# Altium PCB PLD.PcbDoc (part 2 of 2)
Units mil, origin at the board's own origin, x right, y up, seen from the top; angles counter-clockwise.
Board outline 3553.1 x 3718.04 mil, 2 copper layers (Component Side, Bottom Layer), stack 61.8 mil thick; 154 components, 152 nets, 633 pads, 368 vias.
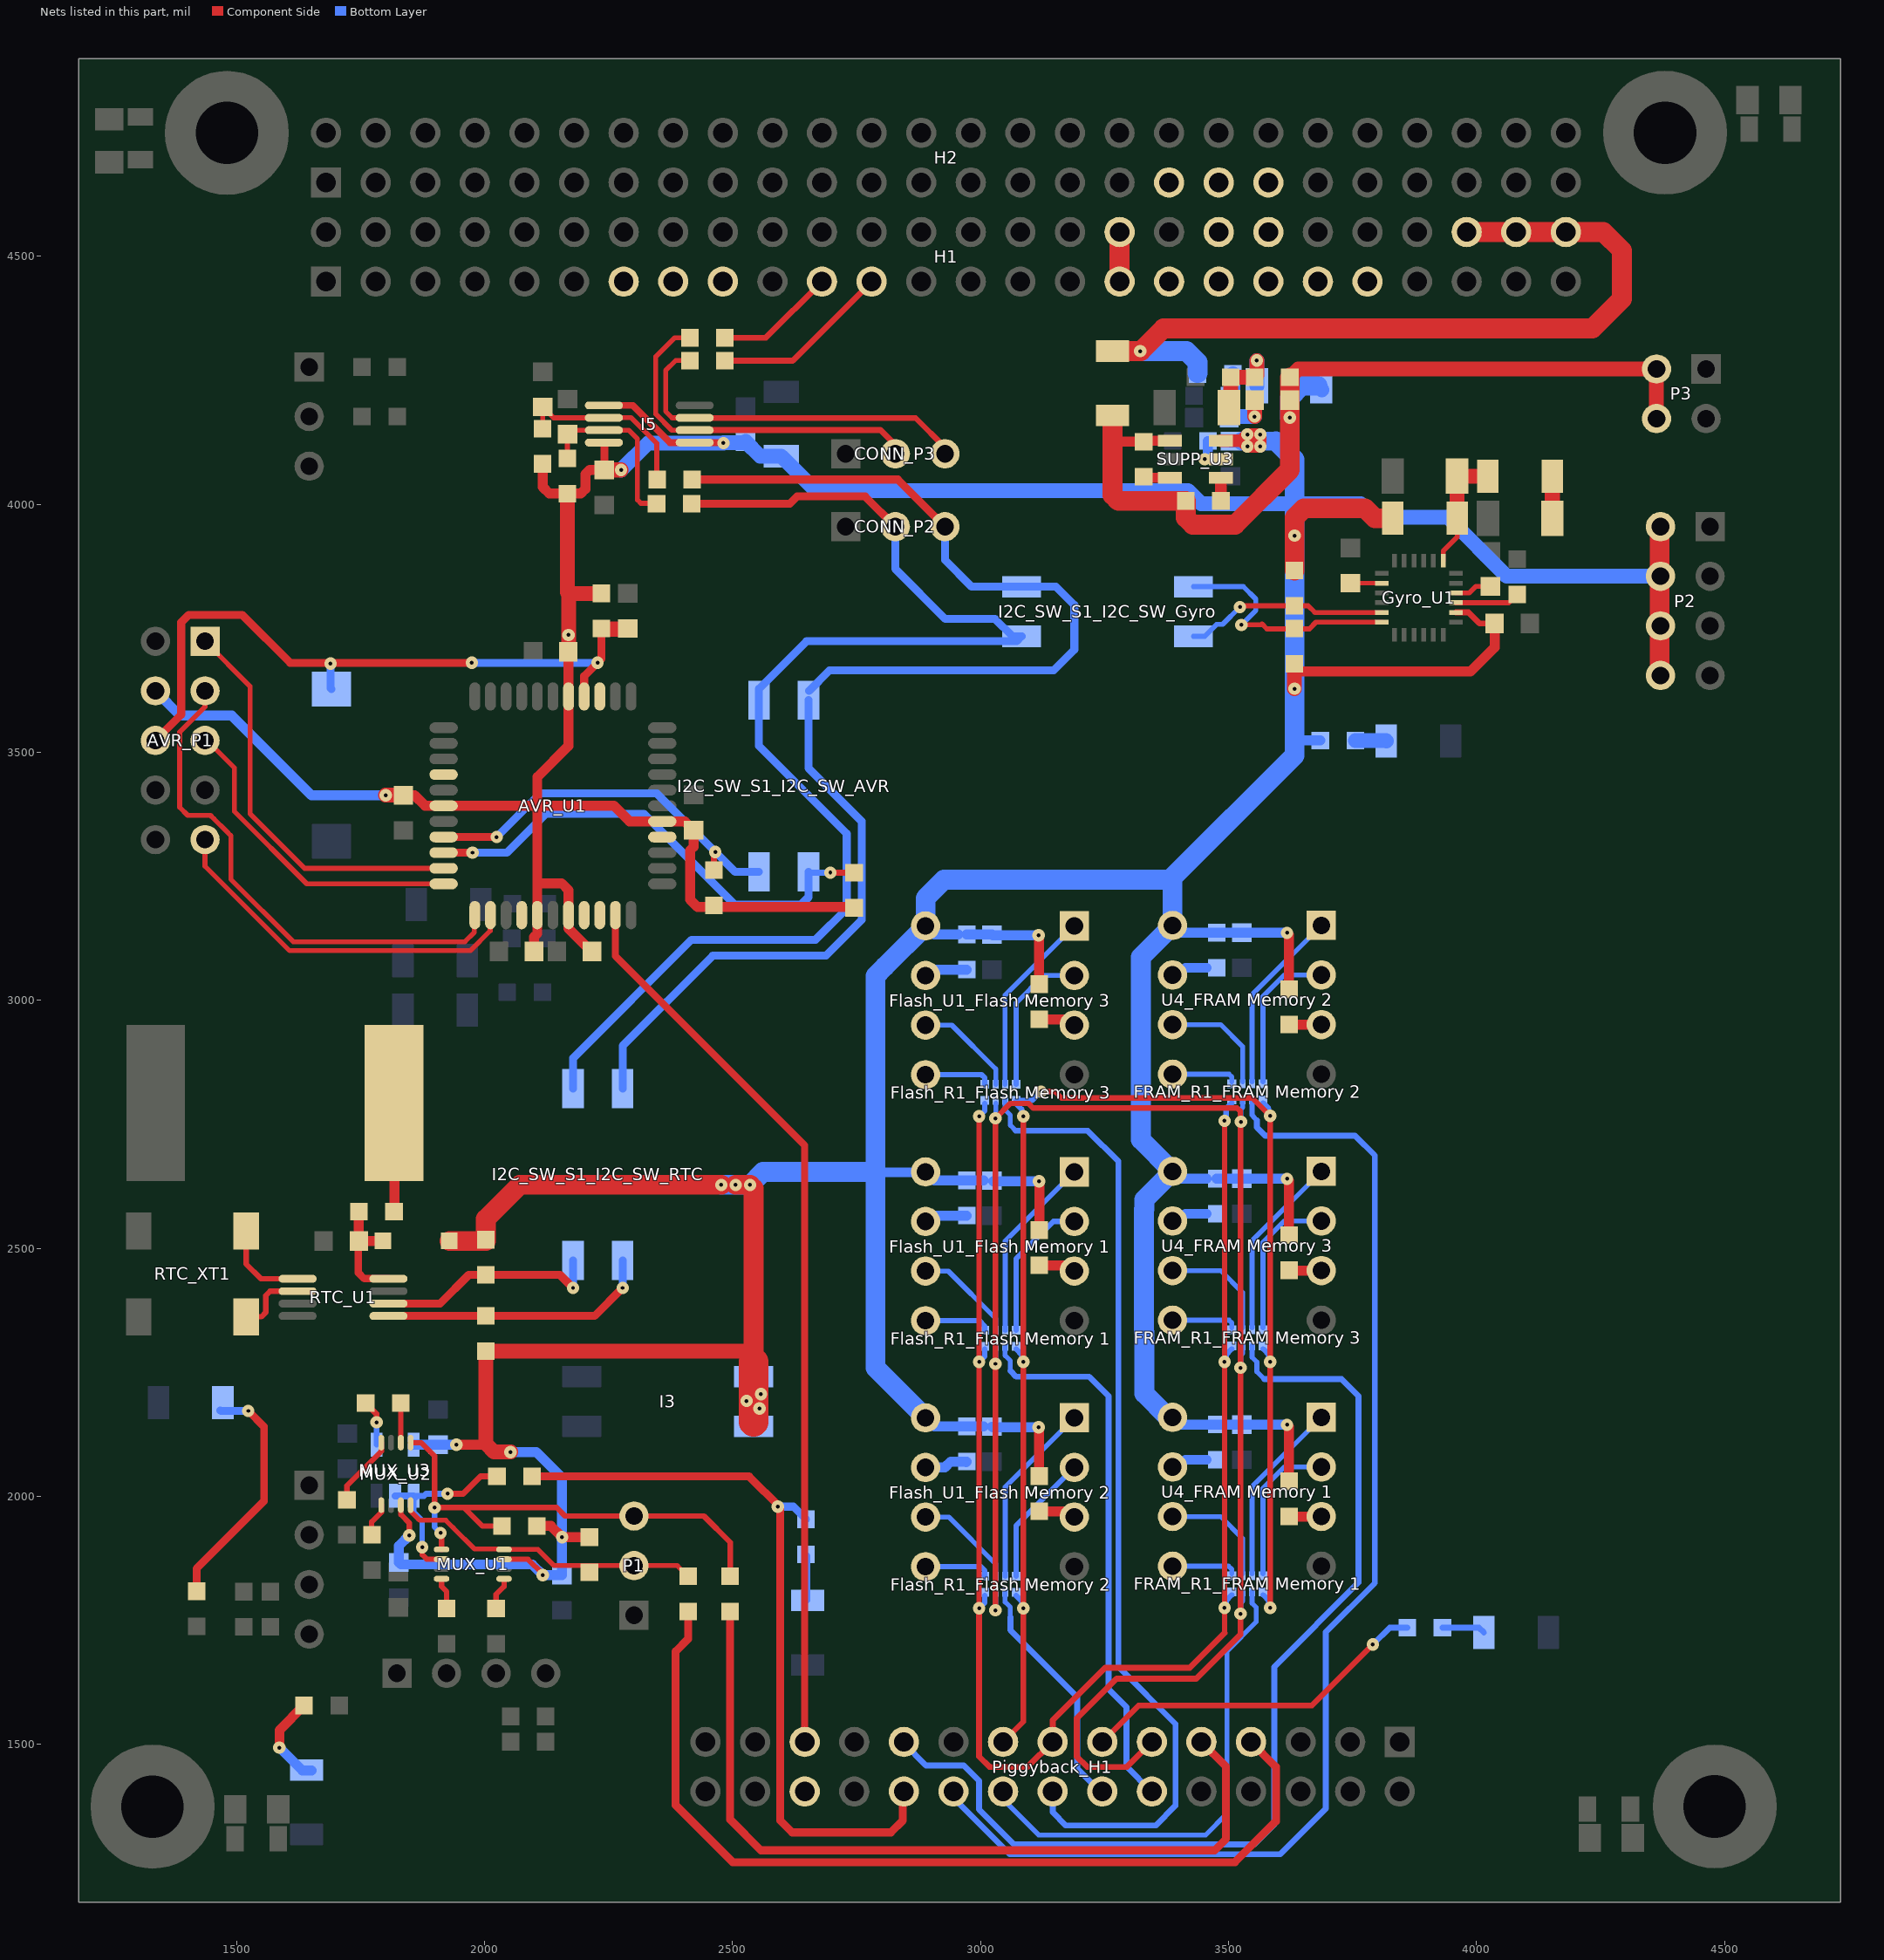
[diagram p2: the nets of this part, all layers, seen from the top]

## Via types
v1: diameter 25, hole 7.87, Component Side to Bottom Layer, tented both sides, 368 vias

## Nets (pads, with @x,y where several pads share a name; then routed paths per layer and width w, separated by ;. In a path a pad name is that pad's centre, name@x,y a point inside that pad or via, vN(x,y) a via of type N, cw(c..) or ccw(c..) an arc to the next point about the centre after c; other vN are vias at no path point) (continued)
NetCONN_P2_2: CONN_P2.2 I2C_SW_S1_I2C_SW_AVR.4 I2C_SW_S1_I2C_SW_Gyro.4 I2C_SW_S1_I2C_SW_RTC.4 R2.1 | length 2666.2
  Component Side w16: R2.1@2417.43,4001 2615,4001 2630,4016 2767,4016 CONN_P2.2@2828,3955
  Bottom Layer w16: I2C_SW_S1_I2C_SW_RTC.4@2178.13,2822 2178.13,2883.13 2417,3122 2667.06,3122 2730,3184.94 2730,3336 2553,3513 I2C_SW_S1_I2C_SW_AVR.4@2553,3605.23 2553,3628 2649,3724 3072.77,3724 I2C_SW_S1_I2C_SW_Gyro.4@3082.77,3734 3064,3734 3029,3769 2929,3769 2828,3870 CONN_P2.2@2828,3955
NetCONN_P2_3: CONN_P2.3 I2C_SW_S1_I2C_SW_AVR.2 I2C_SW_S1_I2C_SW_Gyro.2 I2C_SW_S1_I2C_SW_RTC.2 R4.1 | length 2734.7
  Component Side w16: R4.1@2418.43,4050 2833,4050 CONN_P2.3@2928,3955
  Bottom Layer w16: I2C_SW_S1_I2C_SW_RTC.2@2278.13,2822 2278.13,2908.13 2460,3090 2688,3090 2760,3162 2760,3361 2653,3468 I2C_SW_S1_I2C_SW_AVR.2@2653,3605.23 ; I2C_SW_S1_I2C_SW_AVR.2@2654,3624 2695,3665 3147,3665 3189,3707 3189,3797 3152,3834 I2C_SW_S1_I2C_SW_Gyro.2@3082.77,3834 2982,3834 2928,3888 CONN_P2.3@2928,3955
NetCONN_P3_2: CONN_P3.2 I5.2 R3.1 | length 730.6
  Component Side w10: R3.1@2413.57,4343 2406.57,4336 2383,4336 2345,4298 2345,4182 2377.43,4149.57 I5.2@2423.38,4149.57 I5.2@2423.38,4150.07
  Component Side w12: I5.2@2423.38,4150.07 2797.93,4150.07 2828,4120 CONN_P3.2@2828,4102
NetCONN_P3_3: CONN_P3.3 I5.3 R5.1 | length 769.1
  Component Side w10: R5.1@2413.57,4290 2385,4290 2364.85,4269.85 2364.85,4187.61 2377.89,4174.57 I5.3@2423.38,4174.57 I5.3@2423.38,4174.07
  Component Side w12: I5.3@2423.38,4174.07 2868.93,4174.07 2928,4115 CONN_P3.3@2928,4102 2931,4099 CONN_P3.3@2931,4080
"NetFlash_R1_Flash Memory 1_1": "Flash_R1_Flash Memory 1.1" "Flash_U1_Flash Memory 1.5" | length 132.3
  Bottom Layer w11: 2889,2354 2997,2354 3008.5,2342.5 3008.5,2334.5
"NetFlash_R1_Flash Memory 1_2": "Flash_R1_Flash Memory 1.2" "Flash_U1_Flash Memory 1.6" | length 205.1
  Bottom Layer w10: 2889,2454 2935,2454 3030.5,2358.5 3030.5,2334.5
"NetFlash_R1_Flash Memory 1_3": "Flash_R1_Flash Memory 1.3" "Flash_U1_Flash Memory 1.1" | length 377.3
  Bottom Layer w10: 3049.5,2334.5 3049.5,2514.5 3103,2568 3189,2654
"NetFlash_R1_Flash Memory 1_4": "Flash_R1_Flash Memory 1.4" "Flash_U1_Flash Memory 1.2" | length 285.8
  Bottom Layer w11: 3071.49,2334.5 3071.5,2478.5 3147,2554 3182,2554
"NetFlash_R1_Flash Memory 2_1": "Flash_R1_Flash Memory 2.1" "Flash_U1_Flash Memory 2.5" | length 136.1
  Bottom Layer w11: 2889,1858 3000,1858 3008.5,1849.5 3008.5,1838.5 3006.99,1840
"NetFlash_R1_Flash Memory 2_2": "Flash_R1_Flash Memory 2.2" "Flash_U1_Flash Memory 2.6" | length 205.6
  Bottom Layer w10: 2889,1958 2936,1958 3030.5,1863.5 3030.5,1838.5
"NetFlash_R1_Flash Memory 2_3": "Flash_R1_Flash Memory 2.3" "Flash_U1_Flash Memory 2.1" | length 377.3
  Bottom Layer w10: 3049.5,1838.5 3049.5,2018.5 3122.5,2091.5 3189,2158
"NetFlash_R1_Flash Memory 2_4": "Flash_R1_Flash Memory 2.4" "Flash_U1_Flash Memory 2.2" | length 268.2
  Bottom Layer w11: 3071.49,1838.5 3071.5,1940.5 3189,2058
"NetFlash_R1_Flash Memory 3_1": "Flash_R1_Flash Memory 3.1" "Flash_U1_Flash Memory 3.5" | length 135.2
  Bottom Layer w11: 2889,2850 3002,2850 3008.49,2843.51 3008.49,2830.5
"NetFlash_R1_Flash Memory 3_2": "Flash_R1_Flash Memory 3.2" "Flash_U1_Flash Memory 3.6" | length 209.2
  Bottom Layer w10: 2889,2950 2942,2950 3030.49,2861.51 3030.49,2830.5
"NetFlash_R1_Flash Memory 3_3": "Flash_R1_Flash Memory 3.3" "Flash_U1_Flash Memory 3.1" | length 377.3
  Bottom Layer w10: 3049.49,2830.5 3049.49,3010.49 3189,3150
"NetFlash_R1_Flash Memory 3_4": "Flash_R1_Flash Memory 3.4" "Flash_U1_Flash Memory 3.2" | length 304.5
  Bottom Layer w10: 3071.5,2830.5 3071.5,2994.5 3127,3050 3189,3050
"NetFlash_R2_Flash Memory 1_1": "Flash_R2_Flash Memory 1.1" "Flash_U1_Flash Memory 1.3" | length 75.8
  Component Side w20: 3118,2465.57 3177.43,2465.57 3189,2454
"NetFlash_R2_Flash Memory 2_1": "Flash_R2_Flash Memory 2.1" "Flash_U1_Flash Memory 2.3" | length 75.8
  Component Side w20: 3118,1969.57 3177.43,1969.57 3189,1958
"NetFlash_R2_Flash Memory 3_1": "Flash_R2_Flash Memory 3.1" "Flash_U1_Flash Memory 3.3" | length 75.8
  Component Side w20: 3118,2961.57 3177.43,2961.57 3189,2950
"NetFlash_R3_Flash Memory 1_1": "Flash_R3_Flash Memory 1.1" "Flash_U1_Flash Memory 1.7" | length 87.9
  Bottom Layer w20: 2889,2554 2900.81,2565.81 2972,2565.81
"NetFlash_R3_Flash Memory 2_1": "Flash_R3_Flash Memory 2.1" "Flash_U1_Flash Memory 2.7" | length 76.3
  Bottom Layer w20: 2902,2058 2928,2058 2939.81,2069.81 2972,2069.81 2971,2068.81
"NetFlash_R3_Flash Memory 3_1": "Flash_R3_Flash Memory 3.1" "Flash_U1_Flash Memory 3.7" | length 87.9
  Bottom Layer w20: 2889,3050 2900.81,3061.81 2972,3061.81
"NetFRAM_R1_FRAM Memory 1_1": "FRAM_R1_FRAM Memory 1.1" "U4_FRAM Memory 1.5" | length 130.7
  Bottom Layer w10: 3387,1859 3500,1859 3506.5,1852.5 3506.5,1844
"NetFRAM_R1_FRAM Memory 1_2": "FRAM_R1_FRAM Memory 1.2" "U4_FRAM Memory 1.6" | length 230.4
  Bottom Layer w10: 3387,1959 3484,1959 3528.5,1914.5 3528.5,1844
"NetFRAM_R1_FRAM Memory 1_3": "FRAM_R1_FRAM Memory 1.3" "U4_FRAM Memory 1.1" | length 372.8
  Bottom Layer w10: 3547.49,1844 3547.49,2019.49 3687,2159
"NetFRAM_R1_FRAM Memory 1_4": "FRAM_R1_FRAM Memory 1.4" "U4_FRAM Memory 1.2" | length 307.3
  Bottom Layer w10: 3569.5,1844 3569.5,2016.04 3612.46,2059 3687,2059
"NetFRAM_R1_FRAM Memory 2_1": "FRAM_R1_FRAM Memory 2.1" "U4_FRAM Memory 2.5" | length 131.3
  Bottom Layer w10: 3387,2851 3501,2851 3506.5,2845.5 3506.5,2836
"NetFRAM_R1_FRAM Memory 2_2": "FRAM_R1_FRAM Memory 2.2" "U4_FRAM Memory 2.6" | length 230.4
  Bottom Layer w10: 3387,2951 3484,2951 3528.5,2906.5 3528.5,2836
"NetFRAM_R1_FRAM Memory 2_3": "FRAM_R1_FRAM Memory 2.3" "U4_FRAM Memory 2.1" | length 372.8
  Bottom Layer w10: 3547.5,2836 3547.5,3011.49 3687,3151
"NetFRAM_R1_FRAM Memory 2_4": "FRAM_R1_FRAM Memory 2.4" "U4_FRAM Memory 2.2" | length 307.3
  Bottom Layer w10: 3569.5,2836 3569.5,3008.04 3612.46,3051 3687,3051
"NetFRAM_R1_FRAM Memory 3_1": "FRAM_R1_FRAM Memory 3.1" "U4_FRAM Memory 3.5" | length 131.3
  Bottom Layer w10: 3387,2355 3501,2355 3506.5,2349.5 3506.5,2340
"NetFRAM_R1_FRAM Memory 3_2": "FRAM_R1_FRAM Memory 3.2" "U4_FRAM Memory 3.6" | length 230.4
  Bottom Layer w10: 3387,2455 3484,2455 3528.5,2410.5 3528.5,2340
"NetFRAM_R1_FRAM Memory 3_3": "FRAM_R1_FRAM Memory 3.3" "U4_FRAM Memory 3.1" | length 372.8
  Bottom Layer w10: 3547.5,2340 3547.5,2515.49 3687,2655
"NetFRAM_R1_FRAM Memory 3_4": "FRAM_R1_FRAM Memory 3.4" "U4_FRAM Memory 3.2" | length 307.3
  Bottom Layer w10: 3569.5,2340 3569.5,2512.04 3612.46,2555 3687,2555
"NetFRAM_R3_FRAM Memory 1_1": "FRAM_R3_FRAM Memory 1.1" "U4_FRAM Memory 1.3" | length 65
  Component Side w20: 3622,1959 3687,1959
"NetFRAM_R3_FRAM Memory 2_1": "FRAM_R3_FRAM Memory 2.1" "U4_FRAM Memory 2.3" | length 65
  Component Side w20: 3622,2951 3687,2951
"NetFRAM_R3_FRAM Memory 3_1": "FRAM_R3_FRAM Memory 3.1" "U4_FRAM Memory 3.3" | length 65
  Component Side w20: 3622,2455 3687,2455
"NetFRAM_R5_FRAM Memory 1_1": "FRAM_R5_FRAM Memory 1.1" "U4_FRAM Memory 1.7" | length 75
  Bottom Layer w20: 3387,2059 3398.43,2059 3413,2073.57 3456,2073.57
"NetFRAM_R5_FRAM Memory 2_1": "FRAM_R5_FRAM Memory 2.1" "U4_FRAM Memory 2.7" | length 75
  Bottom Layer w20: 3387,3051 3398.43,3051 3413,3065.57 3456,3065.57
"NetFRAM_R5_FRAM Memory 3_1": "FRAM_R5_FRAM Memory 3.1" "U4_FRAM Memory 3.7" | length 75
  Bottom Layer w20: 3387,2555 3398.43,2555 3413,2569.57 3456,2569.57
NetGyro_C1_1: Gyro_C1.1 Gyro_U1.20 | length 68.3
  Component Side w9: Gyro_C1.1@3743,3847 3748.9,3841.1 Gyro_U1.20@3808.84,3841.1
NetGyro_C2_1: Gyro_C2.1 Gyro_U1.10 | length 75
  Component Side w10: Gyro_U1.10@3958.45,3821.42 3985.42,3821.42 3998.57,3834.57 Gyro_C2.1@4028,3834.57
NetGyro_C3_1: Gyro_C3.1 Gyro_FB1.2 Gyro_R1.2 Gyro_U1.13 | length 244.3
  Component Side w10: Gyro_U1.13@3932.86,3886.38 3932.86,3905.86 3960.96,3933.96 Gyro_FB1.2@3960.96,3972
  Component Side w30: Gyro_FB1.2@3960.96,3972 Gyro_C3.1@3960.96,4057 Gyro_R1.2@4023.04,4057
NetGyro_C4_1: Gyro_C4.1 Gyro_R1.1 | length 85
  Component Side w30: Gyro_C4.1@4152.96,3972 Gyro_R1.1@4152.96,4057
NetGyro_R2_1: Gyro_R2.1 Gyro_U1.9 | length 130.5
  Component Side w10: Gyro_U1.9@3958.45,3801.73 4065.17,3801.73 Gyro_R2.1@4082,3818.57
NetGyro_U1_23: Gyro_U1.23 I2C_SW_R2_I2C_SW_Gyro.2 I2C_SW_S1_I2C_SW_Gyro.3 | length 410.7
  Component Side w10: v1(3523,3793) 3525.57,3795.57 I2C_SW_R2_I2C_SW_Gyro.2@3633,3795.57 3660.43,3795.57 3673.95,3782.05 Gyro_U1.23@3808.84,3782.05
  Bottom Layer w10: I2C_SW_S1_I2C_SW_Gyro.3@3429.23,3734 3452,3734 3476,3758 3488,3758 v1(3523,3793)
NetGyro_U1_24: Gyro_U1.24 I2C_SW_R1_I2C_SW_Gyro.2 I2C_SW_S1_I2C_SW_Gyro.1 | length 493.5
  Component Side w10: v1(3526,3757) 3565.36,3757 3567.36,3759 3577.36,3749 3663,3749 3676.36,3762.36 Gyro_U1.24@3808.84,3762.36
  Bottom Layer w10: I2C_SW_S1_I2C_SW_Gyro.1@3429.23,3834 3530,3834 3555,3809 3555,3786 v1(3526,3757)
NetI1_2: I1.2 I5.6 I8.1 R4.2 | length 378.7
  Component Side w10: I1.2@2116.85,4152.5 I8.1@2116.85,4196.64 2138.91,4174.57 I5.6@2240.31,4174.57 2240.74,4175 2295,4175 2347,4123 R4.2@2347,4049.43
NetI2_2: I2.2 I5.7 I9.1 R2.2 | length 365.3
  Component Side w10: I2.2@2166.85,4092.5 I9.1@2166.85,4141.64 2174.78,4149.57 I5.7@2240.31,4149.57 2290.43,4149.57 2308,4132 2308,4009 2315,4002 R2.2@2346.57,4002
NetI2C_SW_R1_I2C_SW_RTC_2: I2C_SW_R1_I2C_SW_RTC.2 I2C_SW_S1_I2C_SW_RTC.1 RTC_U1.5 | length 551.3
  Component Side w16: RTC_U1.5@1805.8,2363.42 I2C_SW_R1_I2C_SW_RTC.2@2002.13,2363.42 2221.55,2363.42 v1(2278.13,2420)
  Bottom Layer w16: v1(2278.13,2420) I2C_SW_S1_I2C_SW_RTC.1@2278.13,2475.54
NetI2C_SW_R2_I2C_SW_RTC_2: I2C_SW_R2_I2C_SW_RTC.2 I2C_SW_S1_I2C_SW_RTC.3 RTC_U1.6 | length 462.8
  Component Side w16: RTC_U1.6@1805.8,2388.42 1910,2388.42 1967.92,2446.34 I2C_SW_R2_I2C_SW_RTC.2@2002.13,2446.34 2151.8,2446.34 v1(2178.13,2420)
  Bottom Layer w16: v1(2178.13,2420) I2C_SW_S1_I2C_SW_RTC.3@2178.13,2475.54
NetLED1_A: LED1.A SUPP_R1.2 | length 62.5
  Bottom Layer w30: SUPP_R1.2@3756,3524 3817.08,3524 LED1.A@3818.08,3523
NetLED2_A: LED2.A MUX_R13.2 | length 189.6
  Component Side w19.68: v1(1586,1493) 1586,1528.43 MUX_R13.2@1635.57,1578
  Bottom Layer w19.68: v1(1586,1493) 1632.04,1446.96 LED2.A@1651,1446.96
NetLED3_A: LED3.A MUX_R14.2 | length 489.6
  Component Side w15.75: MUX_R14.2@1419,1808.43 1419,1854 1555,1990 1555,2140 v1(1523,2172)
  Bottom Layer w15.75: LED3.A@1466.96,2173 1467.96,2172 v1(1523,2172)
NetLED4_A: LED4.A MUX_R15.2 | length 93.8
  Bottom Layer w11.81: MUX_R15.2@2648,1882.57 2651,1879.57 LED4.A@2651,1789.96
NetLED8_A: LED8.A R6.2 | length 87.7
  Bottom Layer w11.81: R6.2@3931.43,1735 4005.04,1735 LED8.A@4015.04,1725
NetMUX_R3_2: MUX_R3.2 MUX_U1.8 | length 64.2
  Component Side w11: MUX_U1.8@1913.01,1833.47 1913.01,1817.99 1923,1808 MUX_R3.2@1923,1773.43
NetMUX_R4_2: MUX_R4.2 MUX_U1.1 | length 66.7
  Component Side w11: MUX_R4.2@2023,1773.43 2023,1802 2038.99,1817.99 MUX_U1.1@2038.99,1833.47
NetMUX_R6_1: MUX_R6.1 MUX_R12.1 MUX_U1.5 MUX_U2.5 P1.3 | length 1041.4
  Component Side w11: MUX_U2.5@1850.53,2107.99 1872.01,2107.99 1899,2081 v1(1899,1977) 1958,1977 ; v1(1911,1926) 1911,1920.02 1913.01,1918.01 MUX_U1.5@1913.01,1892.53 ; MUX_R12.1@2036.57,1940 MUX_R12.1@2034.57,1940 1995,1940 1958,1977 ; MUX_R6.1@2495,1838.43 2495,1907 2442,1960 P1.3@2301,1960 2162,1960 2145,1977 1958,1977
  Bottom Layer w11: v1(1899,1977) 1899,1938 v1(1911,1926)
NetMUX_R7_1: MUX_R7.1 MUX_R11.1 MUX_U1.4 MUX_U2.4 P1.2 | length 626.3
  Component Side w10: MUX_U2.4@1850.53,1982.01 1850.53,1969.64 1866.5,1953.66 1866.5,1953.5 1868.5,1951.5 1921.56,1951.5 1936.5,1936.56 1936.5,1936.5 1979.48,1893.52 2038,1893.52 MUX_U1.4@2038.99,1892.53 2107.47,1892.53 2140,1860 P1.2@2301,1860 2388.43,1860 MUX_R7.1@2410,1838.43
NetMUX_R9_2: MUX_R9.2 MUX_U2.8 | length 143.9
  Component Side w11: MUX_R9.2@1722,1992.87 1722,2021 1791.47,2090.47 MUX_U2.8@1791.47,2107.99
NetMUX_R10_2: MUX_R10.2 MUX_U2.1 | length 68.5
  Component Side w11: MUX_R10.2@1773,1922 1772,1923 1772,1948 1791.47,1967.47 MUX_U2.1@1791.47,1982.01
NetMUX_U1_6: MUX_U1.6 MUX_U3.1 MUX_U3.2 R9.1 | length 394.3
  Component Side w11: v1(1874,1897) 1874,1882 1882.88,1873.12 1912.73,1873.12 MUX_U1.6@1913.01,1872.84 MUX_U1.6@1913.17,1873
  Component Side w12: v1(1925,2005) 1956.57,2005 1991.57,2040 R9.1@2024.57,2040
  Bottom Layer w11: MUX_U3.1@1856.68,2000.7 1856.68,1968.32 1874,1951 v1(1874,1897)
  Bottom Layer w12: MUX_U3.1@1856.68,2000.7 1877.7,2000.7 1882,2005 v1(1925,2005)
  Bottom Layer w14: MUX_U3.2@1819.28,2000.7 MUX_U3.1@1856.68,2000.7 MUX_U3.1@1859.38,1998
NetMUX_U2_6: MUX_U2.6 R8.1 | length 80
  Component Side w10: MUX_U2.6@1830.84,2107.99 R8.1@1830.84,2188
NetMUX_U3_4: MUX_U3.4 R8.2 | length 93.2
  Component Side w12: R8.2@1759.98,2188 1781.87,2166.1 v1(1781.87,2149)
  Bottom Layer w12: MUX_U3.4@1781.87,2103.85 v1(1781.87,2149)
NetRTC_C1_1: RTC_C1.1 RTC_D1.K RTC_R1.1 RTC_U1.8 | length 237.9
  Component Side w15: RTC_C1.1@1744.97,2514.77 1744.97,2450.58 1757,2438.55 RTC_U1.8@1806.07,2438.55
  Component Side w20: RTC_R1.1@1746.13,2573.77 RTC_C1.1@1746.13,2514.77 RTC_D1.K@1794.77,2514.77
NetRTC_C2_1: RTC_C2.1 RTC_R1.2 | length 233
  Component Side w20: RTC_R1.2@1818.17,2573.77 RTC_C2.1@1818.17,2792.77
  Component Side w30: RTC_C2.1@1782.78,2824.77 RTC_C2.1@1792.7,2814.85
NetRTC_U1_1: RTC_U1.1 RTC_XT1.1 | length 182.8
  Component Side w11: RTC_XT1.1@1519,2535 1519,2468.24 1548.82,2438.42 RTC_U1.1@1622.73,2438.42
NetRTC_U1_2: RTC_U1.2 RTC_XT1.4 | length 145
  Component Side w11: RTC_XT1.4@1519,2361.77 1549.46,2361.77 1558.46,2370.77 1558.46,2404.77 1567.11,2413.42 RTC_U1.2@1622.73,2413.42
NetSUPP_C17_2: SUPP_C17.2 SUPP_C22.1 SUPP_R14.2 SUPP_R17.1 | length 197.2
  Component Side w30: SUPP_C22.1@3500.96,4195 3504.43,4198.47 SUPP_R17.1@3504.43,4256 SUPP_R14.2@3552.57,4256 3557.47,4260.91 v1@3557.47,4289.57
  Bottom Layer w30: SUPP_C17.2@3557.04,4239 v1(3557.04,4290)
NetSUPP_C18_2: SUPP_C18.2 SUPP_C21.1 SUPP_R15.2 SUPP_R18.1 | length 175
  Component Side w30: v1(3552.57,4177) SUPP_C18.2@3552.57,4210
  Bottom Layer w30: SUPP_C21.1@3501.43,4175 SUPP_C21.1@3501.43,4177 ; SUPP_R15.2@3508.43,4263 3508.43,4226 SUPP_R18.1@3501.43,4219 SUPP_C21.1@3501.43,4177 ; v1(3552.57,4177) SUPP_C21.1@3501.43,4177
NetSUPP_R12_2: SUPP_R12.2 SUPP_U3.4 | length 46.6
  Component Side w24: SUPP_R12.2@3484.57,4007 SUPP_U3.4@3484.57,4053.6
NetSUPP_R13_2: SUPP_R13.2 SUPP_U3.3 | length 50.5
  Component Side w20: SUPP_R13.2@3330.97,4053.6 SUPP_U3.3@3381.43,4053.6
NetSUPP_R16_1: SUPP_R16.1 SUPP_U3.5 | length 72.2
  Component Side w20: v1(3452,4091) SUPP_U3.5@3484.57,4091
  Bottom Layer w20: v1(3452,4091) 3458.43,4097.43 SUPP_R16.1@3458.43,4128
OBC_3V3: "Flash_C1_Flash Memory 1.2" "Flash_C1_Flash Memory 2.2" "Flash_C1_Flash Memory 3.2" "Flash_R2_Flash Memory 1.2" "Flash_R2_Flash Memory 2.2" "Flash_R2_Flash Memory 3.2" "Flash_R3_Flash Memory 1.2" "Flash_R3_Flash Memory 2.2" "Flash_R3_Flash Memory 3.2" "Flash_U1_Flash Memory 1.8" "Flash_U1_Flash Memory 2.8" "Flash_U1_Flash Memory 3.8" "FRAM_C1_FRAM Memory 1.2" "FRAM_C1_FRAM Memory 2.2" "FRAM_C1_FRAM Memory 3.2" "FRAM_R3_FRAM Memory 1.2" "FRAM_R3_FRAM Memory 2.2" "FRAM_R3_FRAM Memory 3.2" "FRAM_R5_FRAM Memory 1.2" "FRAM_R5_FRAM Memory 2.2" "FRAM_R5_FRAM Memory 3.2" "U4_FRAM Memory 1.8" "U4_FRAM Memory 2.8" "U4_FRAM Memory 3.8" AVR_C2.1 AVR_C3.1 AVR_C4.1 AVR_C5.1 AVR_C6.1 AVR_P1.4 AVR_U1.5 AVR_U1.17 AVR_U1.27 AVR_U1.29 AVR_U1.38 Gyro_C5.1 Gyro_FB1.1 Gyro_U1.8 I1.1 I2.1 I2C_SW_R1_I2C_SW_AVR.1 I2C_SW_R1_I2C_SW_Gyro.1 I2C_SW_R1_I2C_SW_RTC.1 I2C_SW_R2_I2C_SW_AVR.1 I2C_SW_R2_I2C_SW_Gyro.1 I2C_SW_R2_I2C_SW_RTC.1 I3.2 I3.4 I5.1 I5.5 I5.8 I10.2 I11.2 I12.2 MUX_C3.1 MUX_C4.1 MUX_C5.1 MUX_R11.2 MUX_R12.2 MUX_U1.3 MUX_U2.3 MUX_U3.5 P2.2 P2.4 P2.6 P2.8 R1.1 RTC_D1.A SUPP_C16.2 SUPP_R1.1 SUPP_U3.6 | length 16718.4
  Component Side w10: AVR_U1.5@2169.04,3612.65 AVR_U1.5@2171.46,3615.08 ; I5.8@2241.41,4123.47 I5.8@2242.52,4124.57
  Component Side w11: MUX_U2.3@1830.84,1982.01 1830.84,1963.16 1848,1946 v1(1848,1921) ; MUX_U1.3@2038.99,1872.84 2087.16,1872.84 v1@2116.84,1843.16 ; v1(2117,1841) v1@2117,1843.32
  Component Side w12: AVR_C5.1@2169.04,3700.98 AVR_C5.1@2169.04,3702.57 ; Gyro_U1.8@3958.45,3782.05 3983.95,3782.05 4006,3760 Gyro_C5.1@4036.57,3760
  Component Side w14: I5.5@2240.31,4199.57 2298.71,4199.57 2373.71,4124.57 I5.1@2423.38,4124.57 v1@2481.5,4124.57
  Component Side w16: I10.2@2241.41,4077.07 I5.8@2241.41,4123.47
  Component Side w20: AVR_C3.1@1836,3413.43 1858.57,3413.43 1879.82,3392.18 AVR_U1.17@1917.07,3392.18 2106.05,3392.18 ; v1(1943,2104) 1998.13,2104 2002.13,2108 ; AVR_C2.1@2099.46,3098.57 2099.46,3127.46 2106.05,3134.05 AVR_U1.27@2106.05,3171.71 2106.05,3238 ; MUX_R12.2@2107.43,1940 2133.43,1940 v1(2156,1917.43) MUX_R11.2@2211,1917.43 ; I1.1@2116.85,4081.64 2116.85,4035.15 2130.36,4021.64 I2.1@2166.85,4021.64 ; AVR_U1.29@2169,3172 2169,3144.76 2215.19,3098.57 AVR_C4.1@2216.46,3098.57 ; AVR_U1.29@2169.04,3171.71 2169.04,3221.96 2155,3236 2108.05,3236 2106.05,3238 ; AVR_U1.5@2169.04,3612.65 2169.04,3513.04 2106.05,3450.05 2106.05,3392.18 ; AVR_U1.5@2169.04,3615.08 AVR_C5.1@2169.04,3700.98 ; I2.1@2169.04,4019.44 I2.1@2166.85,4021.64 ; I10.2@2241,4069.43 2211.43,4069.43 2203,4061 2203,4031 2193.64,4021.64 I2.1@2166.85,4021.64 ; AVR_C6.1@2423.17,3341 AVR_C6.1@2421.03,3343.14 ; I2C_SW_R1_I2C_SW_AVR.1@2738,3187.91 2453,3187.91 2429.09,3187.91 2414,3203 2414,3302 2421.03,3309.03 AVR_C6.1@2421.03,3343.14 ; v1(3117,2139) 3118,2138 3118,2040.43 ; v1(3117,3131) 3118,3130 3118,3032.43 ; v1(3118,2635) 3119,2634 3119,2536.43 ; v1(3618,2144) 3622,2140 3622,2029.87 ; v1(3618,2640) 3622,2636 3622,2526.43 3622,2525.87 ; v1(3618,3136) 3622,3132 3622,3021.87 ; I2C_SW_R1_I2C_SW_Gyro.1@3633,3663.13 3988.13,3663.13 4036.57,3711.57 Gyro_C5.1@4036.57,3760 ; 2106.05,3238 2106.05,3392.18 ; 2106.05,3392.18 2260.82,3392.18 2292.31,3360.69 AVR_U1.38@2358.02,3360.69 2403.49,3360.69 AVR_C6.1@2421.03,3343.14
  Component Side w25: SUPP_U3.6@3484.57,4128.4 3525.4,4128.4 ; v1@3540,4117 v1(3564,4117) v1(3564,4141) v1@3540,4141 ; 3525.4,4128.4 v1(3538,4141) v1(3538,4117) 3526.6,4128.4 3525.4,4128.4
  Component Side w30: v1(1800.4,3413.43) AVR_C3.1@1836,3413.43 ; v1(2052,2089) 2019,2089 2002.13,2105.87 2002.13,2108 I2C_SW_R1_I2C_SW_RTC.1@2002.13,2292.55 2520.45,2292.55 2542.23,2270.77 2542.23,2284 ; I2.1@2166.85,4019.44 2166.85,3822.63 2169.04,3820.43 ; AVR_C5.1@2169.04,3702.57 v1(2169.04,3736.57) 2169.04,3820.43 ; R1.1@2235,3820.43 2169.04,3820.43 ; I10.2@2241,4069.43 v1(2275,4069.43) ; v1(3633,3628.13) I2C_SW_R1_I2C_SW_Gyro.1@3633,3663.13
  Component Side w39.37: P2.2@4369,3955 4369,3657 P2.8@4371,3655
  Component Side w40: RTC_D1.A@1928.63,2514.77 2002.13,2514.77 I2C_SW_R2_I2C_SW_RTC.1@2002.13,2517.2 2002.13,2559.13 2070.77,2627.77 v1(2477,2627.77) ; v1(2506,2627.77) v1(2535,2627.77) 2542.23,2620.54 2542.23,2284 ; I2C_SW_R2_I2C_SW_Gyro.1@3633,3866.43 v1(3633,3936.87) 3633,3973 3652,3992 3775,3992 3795,3972 Gyro_FB1.1@3831.04,3972
  Component Side w60: 2542.23,2150.23 2542.23,2270.77
  Bottom Layer w19.68: 3633,3524 SUPP_R1.1@3685.13,3524
  Bottom Layer w20: AVR_P1.4@1336,3624 1386,3574 1490,3574 1650.57,3413.43 v1(1800.4,3413.43) ; v1(1848,1921) 1827,1900 MUX_C3.1@1827,1866.43 1830.93,1862.5 2095.63,1862.5 2117,1841.13 v1(2117,1841) MUX_C4.1@2156,1841 2156,2037 2104,2089 v1@2054,2089 ; MUX_U3.5@1856.68,2103.85 1904.57,2103.85 1904.72,2104 v1(1943,2104) ; 2788,2570 2790,2568 ; 2788,2653 2890,2653 2906.32,2636.68 2955,2636.68 2972,2636.68 3006,2636.68 ; 2807,3068 2811,3064 ; 2889,3150 2906.32,3132.68 2955,3132.68 ; 2972,3132.68 3023,3132.68 ; 3006,2140.68 2972,2140.68 2955,2140.68 2906.32,2140.68 2902,2145 ; 3023,2140.43 3024.43,2139 v1(3117,2139) ; 3024.43,3131 v1(3117,3131) ; 3025.43,2635 v1(3118,2635) ; 3387,2159 3401.57,2144.43 3476,2144.43 3527,2144.43 3528,2144.43 3528.43,2144 v1(3618,2144) ; 3387,2655 3401.57,2640.43 3456,2640.43 ; 3387,3151 3401.57,3136.43 3476,3136.43 3527,3136.43 ; 3476,2640.43 3527,2640.43 ; 3528.43,2640 v1(3618,2640) ; 3528.43,3136 v1(3618,3136) ; 2902,2145 2889,2158 2902,2145
  Bottom Layer w25: SUPP_C16.2@3504,4127.43 3524.43,4127.43 ; 3524.43,4127.43 v1(3538,4141) 3538,4127.43 v1(3538,4117) 3527.57,4127.43 3524.43,4127.43
  Bottom Layer w30: v1(2275,4069.43) 2329.14,4123.57 v1(2481.5,4123.57) ; v1@2481.5,4124.57 2524,4124.57 I11.2@2526,4126.57 2555.53,4097.04 I12.2@2598,4097.04 2667.04,4028 3418,4028 3445,4001 3633,4001 3766,4001 3793.2,3973.8 3942.2,3973.8 4061,3855 P2.4@4371,3855
  Bottom Layer w38: 3527.57,4127.43 3538,4127.43 3595.57,4127.43
  Bottom Layer w40: v1(2477,2627.77) v1(2506,2627.77) v1(2535,2627.77) 2561.23,2654 2788,2654 2788,3049 2807,3068 2889,3150 2889,3206 2926,3243 3387,3243 ; 2788,2653 2788,2570 2788,2259 2889,2158 ; 3387,2159 3378,2159 3330,2207 3330,2330.12 3329.47,2330.64 3329.47,2578.83 3330,2579.36 3330,2598 3387,2655 3323,2719 3323,3087 3387,3151 3387,3243 ; 3595.57,4127.43 3633,4090 3633,4001 v1(3633,3936.87) v1(3633,3628.13) 3633,3524 3633,3494 3387,3248 3387,3243
  Bottom Layer w60: I3.2@2542.23,2150.23 I3.4@2542.23,2231
  other v1: 2554,2177 2528,2192 2557,2206
PC-104_EPS_MPPT_X: H1.13
PC-104_EPS_MPPT_Y+: H1.15
PC-104_EPS_MPPT_Y-: H1.17
PC-104_EPS_RTN: H1.33 H1.34 | length 100
  Component Side w40: H1.33@3280.18,4449.15 H1.34@3280.18,4549.15
PC-104_I2C-BUS-SCL: H1.43
PC-104_I2C-BUS-SDA: H1.41
PC-104_I2C-PAYLOAD_SCL: H1.21 R3.2 | length 245.5
  Component Side w12: R3.2@2484.43,4343 2491.43,4336 2567.02,4336 H1.21@2680.18,4449.15
PC-104_I2C-PAYLOAD_SDA: H1.23 R5.2 | length 361.7
  Component Side w12: R5.2@2484.43,4290 2621.02,4290 H1.23@2780.18,4449.15
PC-104_LCL_SADSMAIN: H1.39
PC-104_LCL_SADSRED: H1.40
PC-104_LCL_SAILMAIN: H1.37
PC-104_LCL_SAILRED: H1.38
PC-104_SUPPLY_CAM_NADIR+3V3: H2.37
PC-104_SUPPLY_CAM_WING+3V3: H2.35
PC-104_SUPPLY_OBC+3V3: H1.48 H1.50 H1.52 SUPP_FB5.1 SUPP_R15.1 | length 1644.4
  Component Side w40: SUPP_FB5.1@3266,4308.96 v1(3322,4308.96) 3322.96,4308.96 3369,4355 4234,4355 4293,4414 4293,4512 4255.85,4549.15 H1.52@4180.18,4549.15 H1.50@4080.18,4549.15 H1.48@3980.18,4549.15
  Bottom Layer w40: v1@3321,4309 3415,4309 3437.5,4286.5 3437.5,4264.78 SUPP_R15.1@3437.57,4264.72
PC-104_SUPPLY_SENS+5V: H1.35
PC-104_SUPPLY_SUNS+3V3: H2.39
PIGGYBACK_ADC_PD4: AVR_U1.32 Piggyback_H1.25 | length 1825.3
  Component Side w14: AVR_U1.32@2263.53,3171.71 2263.53,3089.47 2645.28,2707.72 Piggyback_H1.25@2645.28,1504.53
PIGGYBACK_ADC_PD5: Piggyback_H1.26
PIGGYBACK_GPIO_PA8: "Flash_R1_Flash Memory 1.6" Piggyback_H1.12 | length 1107.6
  Bottom Layer w10: 3049.49,2303 3049.49,2283.57 3060,2273.06 3060,2253
  Bottom Layer w12: 3060,2253 3072,2241 3219,2241 3258,2202 3258,1611 3294,1575 3294,1455 3344.47,1404.53 Piggyback_H1.12@3345.28,1404.53
PIGGYBACK_GPIO_PA9: "Flash_R1_Flash Memory 2.6" Piggyback_H1.14 | length 484.8
  Bottom Layer w10: 3049.49,1806 3049.49,1786.57 3060,1776.06 3060,1756
  Bottom Layer w12: 3060,1756 3060,1730 3195,1595 3195,1451 3241.47,1404.53 Piggyback_H1.14@3245.28,1404.53
PIGGYBACK_GPIO_PA10: "Flash_R1_Flash Memory 3.6" Piggyback_H1.16 | length 1966.4
  Bottom Layer w10: 3049.49,2798 3049.49,2778.57 3060,2768.06 3060,2748 3071,2737
  Bottom Layer w12: 3071,2737 3216,2737 3278,2675 3278,1656 3393,1541 3393,1376 3353,1336 3172,1336 3145.28,1362.72 Piggyback_H1.16@3145.28,1404.53
PIGGYBACK_GPIO_PA11: "FRAM_R1_FRAM Memory 1.6" Piggyback_H1.18 | length 990
  Bottom Layer w10: Piggyback_H1.18@3045.28,1404.53 3045.28,1388.72 3117,1317 3454,1317 3497,1360 3497,1688 3556,1747 3556,1775.54 3547.49,1784.05 3547.49,1807
PIGGYBACK_GPIO_PA12: "FRAM_R1_FRAM Memory 2.6" Piggyback_H1.20 | length 2532.3
  Bottom Layer w10: 3547.5,2799 3547.5,2768.57 3550.5,2765.56 3550.5,2764.5 3557,2758
  Bottom Layer w12: Piggyback_H1.20@2945.28,1404.53 2939,1398.25 3059.25,1278 3604,1278 3696,1370 3696,1726 3795,1825 3795,2687 3755,2727 3574,2727 3557,2744 3557,2758
PIGGYBACK_GPIO_PA13: "FRAM_R1_FRAM Memory 3.6" Piggyback_H1.21 | length 2099.8
  Bottom Layer w10: 3547.5,2303 3547.5,2280.05 3557,2270.54 3557,2251 3572,2236
  Bottom Layer w12: Piggyback_H1.21@2845.28,1504.53 2845.28,1501.72 2890,1457 2966,1457 2997,1426 2997,1368.54 3067.54,1298 3552,1298 3592,1338 3592,1656 3762,1826 3762,2202 3728,2236 3572,2236
PIGGYBACK_GPIO_PB12: MUX_R15.1 Piggyback_H1.22 R9.2 | length 1548.4
  Component Side w16: R9.2@2095.43,2040 2533,2040 2596,1977 2596,1346 2620,1322 2819,1322 2843,1346 Piggyback_H1.22@2843,1402.25
  Bottom Layer w16: v1(2591,1979) 2622.43,1979 MUX_R15.1@2648,1953.43
PIGGYBACK_SPI-CLK_PE5: "Flash_R1_Flash Memory 1.7" "Flash_R1_Flash Memory 2.7" "Flash_R1_Flash Memory 3.7" "FRAM_R1_FRAM Memory 1.7" "FRAM_R1_FRAM Memory 2.7" "FRAM_R1_FRAM Memory 3.7" Piggyback_H1.11 | length 3446
  Component Side w10: v1@3523.5,2755.5 v1@3524,2755
  Component Side w11: v1(3030,1770) v1(3030,2762) 3060,2792 3096.77,2792 3105.77,2783 3517,2783 3523.5,2776.5 v1@3523.5,2755.5 ; v1(3524,1763) v1(3524,2259) v1@3524,2755
  Component Side w12: Piggyback_H1.11@3345.28,1504.53 3294.75,1454 3215,1454 3194,1475 3194,1551.72 3274.28,1632 3435,1632 3524,1721 v1(3524,1763)
  Bottom Layer w10: v1(3030,1770) 3030.49,1770.49 3030.49,1800 ; v1(3030,2267) 3030.49,2267.49 3030.49,2297 ; v1(3030,2762) 3030.49,2762.49 3030.49,2792 ; v1(3524,1763) 3524.5,1763.49 3524.5,1784.5 3528.49,1788.49 3528.49,1807 ; v1(3524,2259) 3524.5,2259.49 3524.5,2284 3528.5,2288 3528.5,2303 ; v1(3525,2755) 3524.5,2755.49 3524.5,2780 3528.5,2784 3528.5,2799
PIGGYBACK_SPI-CS_PE4: Piggyback_H1.13 R6.1 | length 710.8
  Component Side w11.81: Piggyback_H1.13@3245.28,1504.53 3318.75,1578 3668,1578 v1(3791,1701)
  Bottom Layer w11.81: v1(3791,1701) 3825,1735 R6.1@3860.57,1735
PIGGYBACK_SPI-MISO_PE6: "Flash_R1_Flash Memory 1.5" "Flash_R1_Flash Memory 2.5" "Flash_R1_Flash Memory 3.5" "FRAM_R1_FRAM Memory 1.5" "FRAM_R1_FRAM Memory 2.5" "FRAM_R1_FRAM Memory 3.5" Piggyback_H1.17 | length 2995.2
  Component Side w11: Piggyback_H1.17@3045.28,1504.53 3086,1545.25 v1(3086,1774) v1(3086,2271) v1(3086,2766) ; v1(3122,2816) 3150,2816 3163,2803 3548,2803 v1(3584,2767) v1(3584,1775)
  Bottom Layer w11: 3071.49,1800 3083,1788.49 v1@3083,1774 ; 3071.49,2297 3083,2285.49 v1@3083,2271 ; 3071.49,2792 3083,2780.49 v1@3083,2766 ; 3071.49,2798 3104,2798 v1(3122,2816) ; 3569.49,1801 3581,1789.5 v1@3581,1775 ; 3569.5,2297 3581,2285.49 v1@3581,2271 ; 3569.5,2793 3581,2781.5 v1@3581,2767
  other v1: 3584,2271
PIGGYBACK_SPI-MOSI_PE7: "Flash_R1_Flash Memory 1.8" "Flash_R1_Flash Memory 2.8" "Flash_R1_Flash Memory 3.8" "FRAM_R1_FRAM Memory 1.8" "FRAM_R1_FRAM Memory 2.8" "FRAM_R1_FRAM Memory 3.8" Piggyback_H1.15 | length 3149.8
  Component Side w11: v1(2996.99,1774) v1(2996.99,2271) v1(2996.99,2766) ; 3492,1724 v1(3492,2757)
  Component Side w12: v1(2996.99,1774) 2996.99,1475.01 3018,1454 3094.75,1454 Piggyback_H1.15@3145.28,1504.53 3145.28,1548.28 3251,1654 3422,1654 3491.99,1723.99
  Bottom Layer w11: v1(2996.99,1774) 3008.49,1785.51 3008.49,1800 ; v1(2996.99,2271) 3008.49,2282.51 3008.49,2297 ; v1(2996.99,2766) 3008.49,2777.51 3008.49,2792 ; v1@3494.99,1775 3494.99,1789.5 3506.5,1801 ; v1@3494.99,2271 3494.99,2285.49 3506.5,2297 ; v1@3494.99,2767 3494.99,2781.49 3506.5,2793
  other v1: 3491.99,1775 3491.99,2271
PIGGYBACK_UART-RX_PF7: MUX_R7.2 Piggyback_H1.7 | length 1872.5
  Component Side w16: MUX_R7.2@2410,1766 2410,1712 2385,1687 2385,1377 2500,1262 3513,1262 3595.55,1344.55 3595.55,1454.25 Piggyback_H1.7@3545.28,1504.53
PIGGYBACK_UART-TX_PF6: MUX_R6.2 Piggyback_H1.9 | length 1669.3
  Component Side w16: MUX_R6.2@2495,1766 2495,1348 2557,1286 3472,1286 3495,1309 3495,1454.8 Piggyback_H1.9@3445.28,1504.53
PRI_3V3: P3.2 P3.4 SUPP_C17.1 SUPP_C18.1 SUPP_FB5.2 SUPP_R12.1 SUPP_R13.1 SUPP_R14.1 SUPP_U3.1 | length 1873.5
  Component Side w20: 3265,4126.43 3266,4126.43 SUPP_R13.1@3329,4126.43 ; SUPP_R13.1@3330.97,4128.4 SUPP_U3.1@3381.43,4128.4
  Component Side w30: SUPP_R14.1@3623.43,4256 3640.43,4273 P3.2@4363,4273 P3.4@4363,4173
  Component Side w40: SUPP_FB5.2@3266,4179.04 3266,4126.43 3266,4019 3278,4007 SUPP_R12.1@3413.71,4007 3413.71,3973.29 3428,3959 3513,3959 3623.43,4069.43 v1(3623.43,4175) SUPP_C18.1@3623.43,4210 SUPP_R14.1@3623.43,4256
  Bottom Layer w30: SUPP_C17.1@3679.96,4239 SUPP_C17.1@3687.96,4231
  Bottom Layer w40: v1(3623.43,4175) 3623.43,4215.43 3647,4239 SUPP_C17.1@3679.96,4239
R\S\T\: AVR_C1.1 AVR_P1.6 AVR_U1.4 R1.2 S1.1 | length 1401.4
  Component Side w10: AVR_U1.4@2200.54,3612.65 AVR_U1.4@2203.17,3612.65
  Component Side w16: AVR_P1.6@1336,3524 1388,3576 1388,3762 1403,3777 1511,3777 1607.43,3680.57 v1(1974,3680.57) ; AVR_U1.4@2200.54,3612.65 2200.54,3653.54 v1(2227.57,3680.57) 2235.57,3688.57 R1.2@2235.57,3751
  Component Side w30: R1.2@2244,3748.43 AVR_C1.1@2292.43,3748.43
  Bottom Layer w16: v1(1689.03,3679) 1689.03,3629.51 S1.1@1691,3627.54 ; v1(1974,3680.57) v1(2227.57,3680.57)
RADFET_FAULT: AVR_U1.30
RADFET_PGOOD: AVR_U1.31
RADFET_TEMP_MUX: AVR_U1.26
SAIL-NO: AVR_U1.15
SCK: AVR_U1.3
SCL: AVR_U1.19 I2C_SW_R2_I2C_SW_AVR.2 I2C_SW_S1_I2C_SW_AVR.3 | length 775.6
  Component Side w12: I2C_SW_R2_I2C_SW_AVR.2@2462,3262.43 2462,3296 v1(2465,3299)
  Component Side w16: AVR_U1.19@1917.07,3329.19 v1(2024,3329.19)
  Bottom Layer w16: v1(2024,3329.19) 2111.81,3417 2347,3417 v1(2465,3299) 2505,3259 I2C_SW_S1_I2C_SW_AVR.3@2553,3259
SDA: AVR_U1.20 I2C_SW_R1_I2C_SW_AVR.2 I2C_SW_S1_I2C_SW_AVR.1 | length 993.7
  Component Side w12: v1(2697,3257.43) I2C_SW_R1_I2C_SW_AVR.2@2745,3257.43
  Component Side w16: AVR_U1.20@1917.07,3297.69 v1(1975.3,3297.69)
  Bottom Layer w12: I2C_SW_S1_I2C_SW_AVR.1@2653,3258.77 2654.34,3257.43 v1(2697,3257.43)
  Bottom Layer w16: v1(1975.3,3297.69) 2044.69,3297.69 2123,3376 2321,3376 2504,3193 2638,3193 2653,3208 I2C_SW_S1_I2C_SW_AVR.1@2653,3258.77
TCK: AVR_P1.1 AVR_U1.21 | length 821.2
  Component Side w10: AVR_P1.1@1436,3724 1527,3633 1527,3376 1636.8,3266.2 AVR_U1.21@1917.07,3266.2
TDI: AVR_P1.9 AVR_U1.24 | length 747.6
  Component Side w10: AVR_P1.9@1436,3324 1436,3270.54 1606.54,3100 1607,3100 1971,3100 2011,3140 2011,3171.15 AVR_U1.24@2011.56,3171.71
TDO: AVR_P1.3 AVR_U1.23 | length 1057.7
  Component Side w10: AVR_P1.3@1436,3624 1436,3592 1385,3541 1385,3389 1401,3373 1447,3373 1453.47,3366.53 1453.62,3366.53 1478.53,3341.62 1478.53,3341.47 1488,3332 1488,3244 1614,3118 1632,3118 1960,3118 1978.9,3136.9 1978.9,3171.71 AVR_U1.23@1980.06,3171.71
TMS: AVR_P1.5 AVR_U1.22 | length 652.5
  Component Side w10: AVR_P1.5@1436,3524 1440,3524 1495,3469 1495,3381 1641.3,3234.7 AVR_U1.22@1917.07,3234.7
WDG: AVR_U1.37
pads on no net: AVR_P1.7 AVR_P1.8 AVR_U1.7 AVR_U1.8 AVR_U1.11 AVR_U1.14 AVR_U1.16 AVR_U1.44 Gyro_U1.2 Gyro_U1.3 Gyro_U1.4 Gyro_U1.5 Gyro_U1.6 Gyro_U1.7 Gyro_U1.12 Gyro_U1.14 Gyro_U1.15 Gyro_U1.16 Gyro_U1.17 Gyro_U1.19 Gyro_U1.21 Gyro_U1.22 H1.1 H1.2 H1.3 H1.4 H1.5 H1.6 H1.7 H1.8 H1.9 H1.10 H1.11 H1.12 H1.14 H1.16 H1.18 H1.19 H1.20 H1.22 H1.24 H1.25 H1.26 H1.27 H1.28 H1.29 H1.30 H1.31 H1.32 H1.36 H1.42 H1.44 H1.45 H1.46 H1.47 H1.49 H1.51 H2.1 H2.2 H2.3 H2.4 H2.5 H2.6 H2.7 H2.8 H2.9 H2.10 H2.11 H2.12 H2.13 H2.14 H2.15 H2.16 H2.17 H2.18 H2.19 H2.20 H2.21 H2.22 H2.23 H2.24 H2.25 H2.26 H2.27 H2.28 H2.31 H2.33 H2.34 H2.36 H2.38 H2.40 H2.41 H2.42 H2.43 H2.44 H2.45 H2.46 H2.47 H2.48 H2.49 H2.50 H2.51 H2.52 Piggyback_H1.1 Piggyback_H1.2 Piggyback_H1.3 Piggyback_H1.4 Piggyback_H1.5 Piggyback_H1.6 Piggyback_H1.8 Piggyback_H1.10 Piggyback_H1.19 Piggyback_H1.23 Piggyback_H1.27 Piggyback_H1.28 Piggyback_H1.29 Piggyback_H1.30 RTC_U1.3 RTC_U1.7
copper on no net: | length 210
  Bottom Layer w8.19: 4487,2236 4487,2246 ; 4487,2291 4487,2301 ; 4487,2346 4487,2356 ; 4497,2226 4507,2226 ; 4497,2256 4507,2256 ; 4497,2281 4507,2281 ; 4497,2311 4507,2311 ; 4497,2336 4507,2336 ; 4497,2366 4507,2366 ; 4517,2236 4517,2246 ; 4517,2291 4517,2301 ; 4517,2346 4517,2356 ; 4527,2226 4537,2226 ; 4527,2256 4537,2256 ; 4527,2281 4537,2281 ; 4527,2311 4537,2311 ; 4527,2336 4537,2336 ; 4527,2366 4537,2366 ; 4547,2236 4547,2246 ; 4547,2291 4547,2301 ; 4547,2346 4547,2356

## Polygon pours and split planes (outlines as drawn)
no net on Bottom Layer "For wire" (solid, shelved, pour order 7): 1480,1803 1480,1545 4339,1545 4339,1803 3379,1803 3378,1804 3377.4,1804.6 3377.4,2977.4 2547.4,2977.4 2547,2977 2547,1803 2257,1803 2257,2107.4 1767.4,2107.4 1767,2107 1767,1803
DGND on Bottom Layer "Component Side-No Net" (solid, remove dead copper, shelved, pour order 6): 1181.1,4899.04 1181.1,1181.1 4734.09,1181.1 4734.2,1181 4734.2,4899.02
DGND on Component Side "Component Side-No Net" (solid, remove dead copper, shelved, pour order 5): 1181.1,4899.04 1181.1,1181.1 4734.09,1181.1 4734.2,1181 4734.2,4899.02

## Other copper
Bottom Layer:
  pour cut-out: 4462,2516.49 4462,2200 4572,2200 4572,2516.49
  region: 4383.25,2702.1 4405.25,2726.1 4419.25,2736.1 4431.25,2736.1 4431.25,2678.1 4415.25,2678.1 4413.25,2708.1 4383.25,2678.1 4359.25,2678.1 4347.25,2692.1 4347.25,2716.1 4361.25,2732.1 4375.25,2734.1 4375.25,2716.1 4363.25,2712.1 4361.25,2704.1 4365.25,2696.1 4375.25,2696.1
  region: 4411.25,2786.1 4411.25,2768.1 4345.25,2768.1 4343.25,2744.1 4325.25,2746.1 4325.25,2808.1 4343.25,2808.1 4345.25,2786.1
  region: 4411.25,2880.1 4326.25,2850.6 4411.25,2818.1 4411.25,2834.1 4373.25,2850.1 4411.25,2866.1
  region: 4377.25,2926.1 4377.25,2932.1 4369.25,2944.1 4357.25,2952.1 4341.25,2950.1 4327.25,2936.1 4325.25,2916.1 4333.25,2900.1 4341.25,2894.1 4351.25,2894.1 4351.25,2910.1 4345.25,2916.1 4345.25,2930.1 4355.25,2932.1 4359.25,2918.1 4363.25,2906.1 4371.25,2892.1 4393.25,2892.1 4405.25,2900.1 4411.25,2916.1 4409.25,2933.1 4403.25,2948.1 4387.25,2954.1 4385.25,2934.1 4391.25,2932.1 4391.25,2914.1 4387.25,2908.1 4381.25,2912.1
  region: 4365.25,2962.1 4347.25,2984.1 4365.25,3002.1 4385.25,2983.1
  region: 4325.25,3112.1 4411.25,3078.1 4357.25,3058.1 4411.25,3034.1 4325.25,3004.1 4325.25,3022.1 4365.25,3034.1 4325.25,3050.1 4325.25,3064.1 4363.25,3078.1 4325.25,3094.1
  region: 4411.25,3178.1 4325.25,3178.1 4325.25,3144.1 4331.25,3132.1 4341.25,3124.1 4351.25,3122.1 4361.25,3122.1 4369.25,3124.1 4377.25,3128.1 4385.25,3140.1 4387.25,3160.1 4369.25,3160.1 4369.25,3148.1 4367.25,3144.1 4361.25,3138.1 4351.25,3140.1 4345.25,3144.1 4345.25,3160.1 4411.25,3160.1
  region: 4259.25,3320.1 4245.25,3276.1 4075.25,3312.1 4239.25,3252.1 4229.25,3210.1 4273.25,3196.1 4239.25,3022.1 4299.25,3214.1 4257.25,3224.1 4273.25,3294.1 4341.25,3278.1 4331.25,3230.1 4525.25,3190.1 4359.25,3246.1 4369.25,3292.1 4325.25,3304.1 4359.25,3478.1 4303.25,3310.1
  region net OBC_3V3: 3485,4147 3524,4147 3531,4154 3578,4154 3578,4104 3527,4104 3523,4108 3485,4108
  text "2017" at 4539.68,2814.56 h70.87 r90
  text "S/N:" at 4539.68,2496.56 h70.87 r90

## Silkscreen, mask and mechanical layers (free items; w line width, h text height)
Top Overlay:
  the board outline again, w6
  text "GND" at 2465.03,1576.72 h39.37 r90
  text "PD6" at 2565.03,1576.72 h39.37 r90
  text "PD4" at 2660.03,1576.72 h39.37 r90
  text "PD8" at 2760.03,1576.72 h39.37 r90
  text "PA13" at 2860.03,1576.72 h39.37 r90
  text "PB11" at 2960.03,1576.72 h39.37 r90
  text "PE6" at 3060.03,1576.72 h39.37 r90
  text "PE7" at 3170.03,1576.72 h39.37 r90
  text "PE4" at 3260.03,1576.72 h39.37 r90
  text "PE5" at 3365.03,1576.72 h39.37 r90
  text "PF6" at 3465.03,1576.72 h39.37 r90
  text "PF7" at 3565.03,1576.72 h39.37 r90
  text "3.3V" at 3660.03,1576.72 h39.37 r90
  text "5V" at 3765.03,1576.72 h39.37 r90
  text "VBAT" at 3870.03,1576.72 h39.37 r90
  text "5V" at 3769.03,1272.44 h39.37 r90
  text "GND" at 2469.03,1233.08 h39.37 r90
  text "PD7" at 2569.03,1233.08 h39.37 r90
  text "PD5" at 2669.03,1233.08 h39.37 r90
  text "PE0" at 2769.03,1233.08 h39.37 r90
  text "PA9" at 3269.03,1233.08 h39.37 r90
  text "PA8" at 3369.03,1233.08 h39.37 r90
  text "PC4" at 3469.03,1233.08 h39.37 r90
  text "PC5" at 3569.03,1233.08 h39.37 r90
  text "PA11" at 3069.03,1213.4 h39.37 r90
  text "PB12" at 2869.03,1200.28 h39.37 r90
  text "PA12" at 2969.03,1200.28 h39.37 r90
  text "PA10" at 3169.03,1200.28 h39.37 r90
  text "3.3V" at 3669.03,1200.28 h39.37 r90
  text "VBAT" at 3864.03,1193.72 h39.37 r90
Bottom Overlay:
  circle w16.81: c3884,3809 r59.06
  lines w6: 1181,1181 1181,4899 4734,4899 4734,1181 1181,1181
  lines w8: 3308,1759 3766,1759 3766,3241 ; 3308,1760 3308,3242 3766,3242 ; 2810,1757 3268,1757 3268,3241 2810,3241 2810,1757
  lines w19.68: 3684.28,3808.94 3719.84,3793.13 ; 3719.84,3824.87 3684.28,3809.06 3823,3809.06 ; 3867.13,3973.16 3882.94,4008.72 ; 3883.06,3870 3883.06,4008.72 3898.87,3973.16
  lines w20: 4139.25,2580 4597.25,2580
  text "UART AVR" at 1226,4386 h39.37 r180
  text "->RX" at 1238.56,4296.68 h39.37 r180
  text "3.3V" at 4152,4294.72 h39.37 r180
  text "GND" at 2747.68,4285.95 h39.37 r90
  text "SCL" at 2847.68,4285.95 h39.37 r90
  text "SDA" at 2947.68,4285.95 h39.37 r90
  text "GND" at 4530,4285.72 h39.37 r180
  text "<-TX" at 1232,4196.68 h39.37 r180
  text "3.3V" at 4154,4193.72 h39.37 r180
  text "GND" at 4531,4191.72 h39.37 r180
  text "+X" at 3916,4151 h59.06 r90
  text "DIRECT" at 2999.53,4148 h39.37 r180
  text "GND" at 1271.36,4096.68 h39.37 r180
  text "I2C" at 2999.53,4091.68 h39.37 r180
  text "REPEATER" at 2999.53,4004 h39.37 r180
  text "3.3V" at 4160,3977 h39.37 r180
  text "GND" at 4538,3968 h39.37 r180
  text "I2C" at 2999.53,3947 h39.37 r180
  text "AVR JTAG" at 1575,3911 h39.37 r180
  text "3.3V" at 4162,3876 h39.37 r180
  text "GND" at 4539,3874 h39.37 r180
  text "+Y" at 3664,3859 h59.06 r90
  text "SDA" at 2905,3853.68 h39.37 r180
  text "3.3V" at 4160,3776 h39.37 r180
  text "SCL" at 2570.68,3775 h39.37 r90
  text "SDA" at 2670.68,3775 h39.37 r90
  text "GND" at 4541,3771 h39.37 r180
  text "SCL" at 2905,3753.68 h39.37 r180
  text "+Z" at 4001,3752 h59.06 r90
  text "+" at 3897.91,3739.43 h118.11 r45
  text "3.3V" at 4161,3670 h39.37 r180
  text "GND" at 4541,3670 h39.37 r180
  text "GYRO I2C" at 3065,3663 h39.37 r180
  text "AVR RESET" at 1830,3662 h39.37 r90
  text "AVR I2C" at 2778,3645 h39.37 r90
  text "FRAM" at 2819,3306 h39.37 r180
  text "FLASH" at 3314,3306 h39.37 r180
  text "1" at 3610,3172 h39.37 r180
  text "1" at 3112,3171 h39.37 r180
  text "SDA" at 2290.68,2997 h39.37 r90
  text "SCL" at 2192,2994 h39.37 r90
  text "RTC I2C" at 2401,2787 h39.37 r90
  text "1" at 3610,2676 h39.37 r180
  text "1" at 3112,2675 h39.37 r180
  text "PLD DM 1.0" at 4407.61,2513 h78.74 r90
  text "CAM POWER" at 2192,2353 h39.37 r180
  text "NADIR" at 2612,2267 h39.37 r180
  text "1" at 3610,2180 h39.37 r180
  text "1" at 3112,2179 h39.37 r180
  text "WING" at 2610,2164 h39.37 r180
  text "CAM NADIR" at 1238,2137 h39.37 r180
  text "GND" at 1233,2042 h39.37 r180
  text "<-TX" at 2378.44,1979.68 h39.37 r180
  text "->RX" at 1233,1938 h39.37 r180
  text "->RX" at 2378.44,1879.68 h39.37 r180
  text "<-TX" at 1233,1838 h39.37 r180
  text "GND" at 2378.44,1779.68 h39.37 r180
  text "FRAM" at 2814,1736 h39.37 r180
  text "FLASH" at 3309,1736 h39.37 r180
  text "3.3V" at 1233,1735 h39.37 r180
  text "CAM UART" at 2252,1680 h39.37 r180
  text "CAM WING" at 2196,1292 h39.37 r270
  text "GND" at 1803.32,1259.36 h39.37 r270
  text "->RX" at 1903.32,1226.56 h39.37 r270
  text "3.3V" at 2103.32,1226.56 h39.37 r270
  text "<-TX" at 2003.32,1220 h39.37 r270
Solder Side:
  region: 4462,2516.49 4462,2201 4571.57,2201 4571.57,2516.49
  region: 4474.01,2834.49 4474.01,2658.1 4560.44,2658.1 4560.44,2834.49

## Text inside footprints (layer, text, board x,y; h text height)
AVR_P1: Bottom Overlay "2" at 1356,3984 h50 r90; Bottom Overlay "1" at 1456,3964 h50 r90; Bottom Overlay "10" at 1356,3104 h50 r90; Bottom Overlay "9" at 1456,3104 h50 r90
Gyro_U1: Mechanical 13 "+Z" at 3933.84,3926.08 h19.68 r90; Mechanical 13 "+Y" at 3822.62,3959.21 h19.68 r90; Mechanical 13 "+X" at 3873.8,3972.91 h19.68 r90